# KiCad board beaglebone-ai-rev-a2.kicad_pcb (continued)
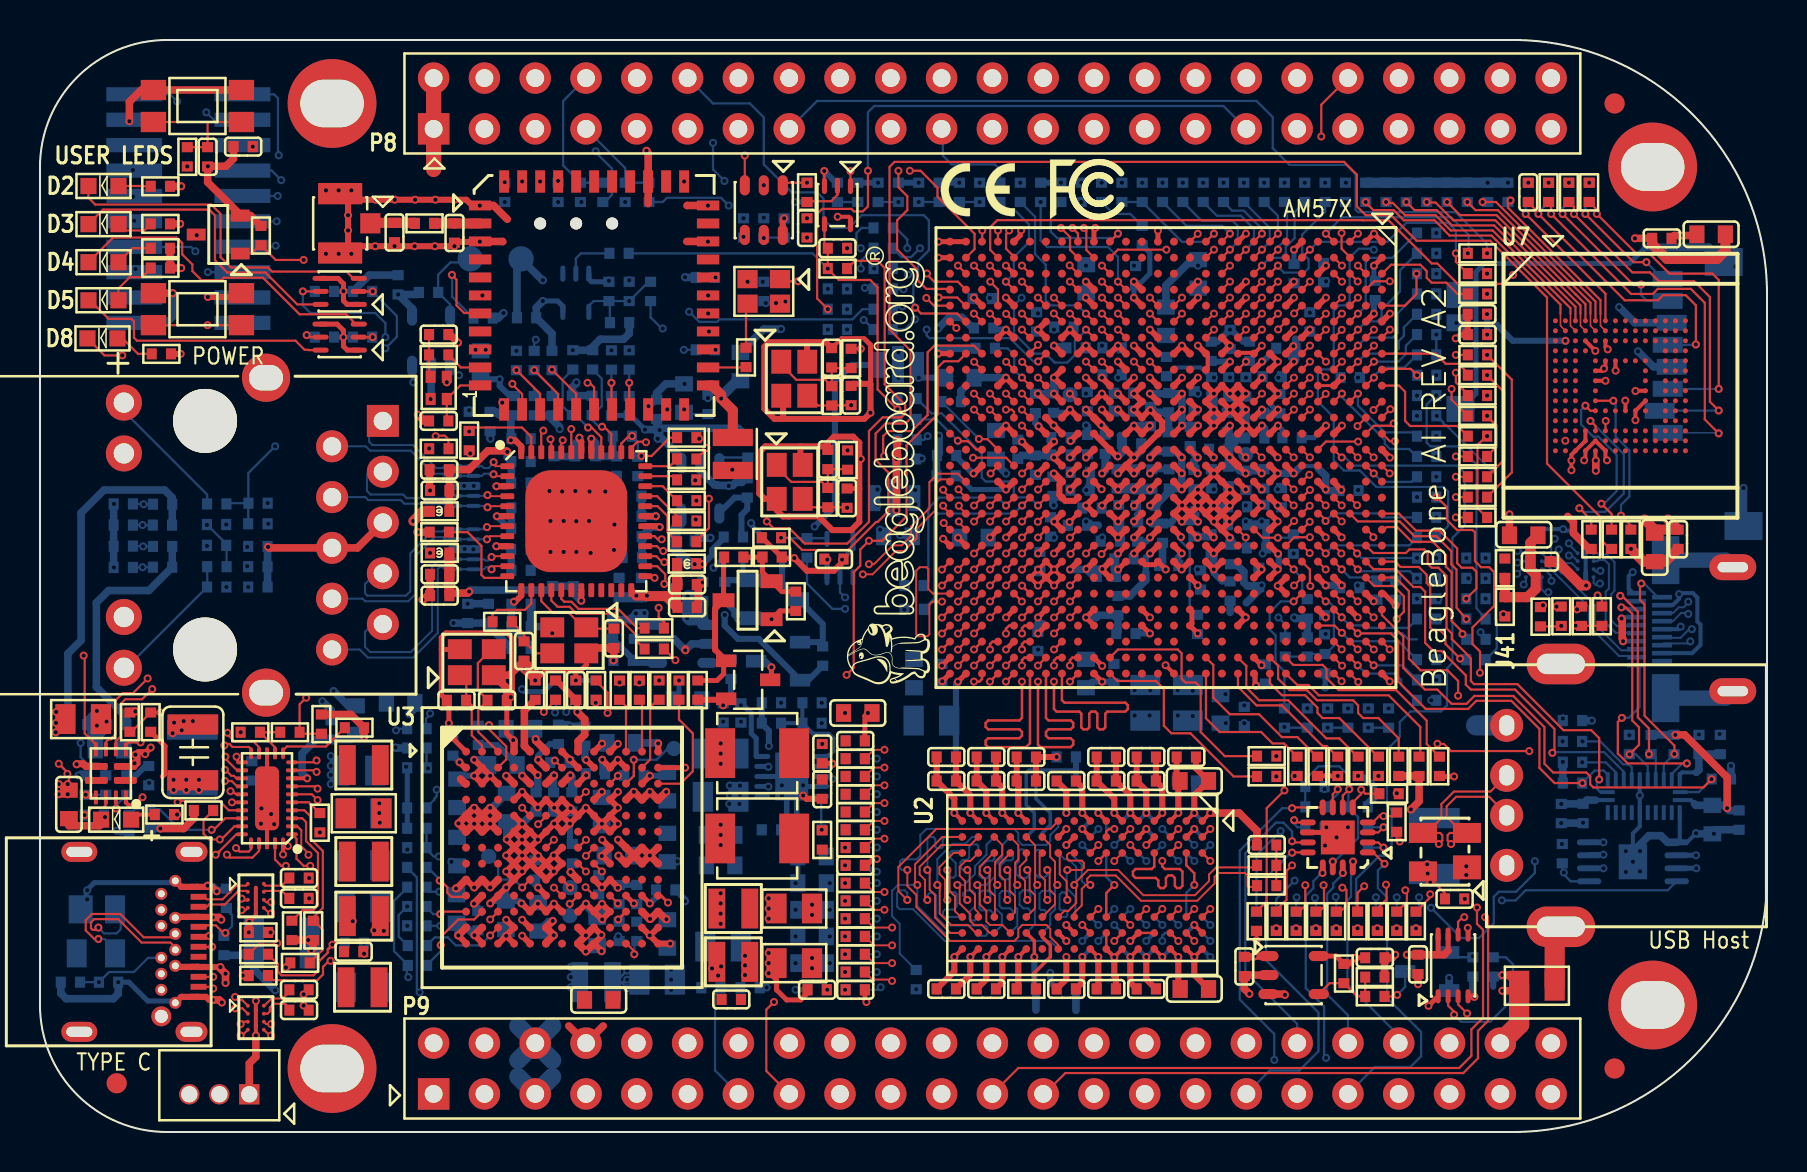
[diagram p0: board, top side]
## Nets (continued)
Earth: C1.2 C2.2 C3.2 C4.2 C5.2 C6.2 C7.2 C8.2 C9.2 C10.2 C11.2 C12.2 C17.2 C18.2 C19.2 C20.2 C21.2 C22.2 C23.2 C24.2 C25.2 C26.2 C27.2 C28.2 C29.2 C30.2 C31.2 C32.2 C33.2 C34.2 C35.2 C36.2 C37.2 C38.2 C39.2 C40.2 C41.1 C42.1 C43.2 C44.2 C45.2 C46.2 C47.2 C48.2 C50.2 C51.1 C52.1 C53.2 C54.2 C55.2 C56.2 C57.2 C58.2 C59.2 C62.2 C63.2 C64.2 C65.2 C66.2 C67.2 C68.2 C69.2 C70.2 C71.2 C72.2 C73.2 C74.2 C75.2 C76.2 C77.2 C78.2 C79.2 C80.2 C81.2 C82.2 C83.2 C84.2 C85.2 C86.2 C87.2 C88.2 C89.2 C90.2 C91.2 C92.2 C93.2 C94.2 C95.2 C96.2 C97.2 C98.2 C100.2 C101.2 C102.2 C103.2 C104.2 C105.2 C106.2 C107.2 C108.2 C109.2 C110.2 C111.2 C112.2 C113.2 C114.2 C115.2 C116.2 C117.2 C118.2 C119.2 C120.2 C121.2 C122.2 C123.2 C124.2 C125.2 C126.2 C127.2 C128.2 C129.2 C130.2 C131.2 C132.2 C133.2 C134.2 C135.2 C136.2 C137.2 C138.2 C139.2 C140.2 C141.2 C142.2 C144.2 C145.2 C146.2 C147.1 C148.2 C149.2 C151.2 C152.2 C153.1 C154.2 C155.2 C156.2 C157.2 C158.2 C159.2 C161.2 C162.2 C163.2 C164.2 C165.2 C166.2 C168.2 C169.2 C170.2 C171.2 C172.2 C174.2 C175.2 C176.2 C177.2 C178.2 C179.2 C180.2 C181.2 C182.2 C183.2 C184.2 C185.2 C186.2 C187.2 C188.2 C189.2 C190.2 C192.2 C193.2 C194.2 C195.2 C196.2 C197.2 C198.2 C199.2 C200.2 C201.2 C202.2 C203.2 C204.2 C205.2 C206.2 C207.2 C208.2 C209.2 C210.2 C211.2 C212.2 C213.2 C214.2 C215.2 C216.2 C217.2 C218.2 C220.2 C221.2 C222.2 C223.2 C224.2 C226.1 C227.2 C230.2 C231.2 C232.2 C233.2 C234.2 C235.2 C236.2 C237.2 C238.2 C242.2 C245.2 C254.2 C255.2 C256.2 C257.2 C258.2 C259.2 C260.2 C261.2 C262.2 C263.2 C264.2 C265.2 C266.2 C267.2 C268.2 C269.2 C270.2 C271.2 C272.2 C273.2 C274.2 C275.2 C276.2 C277.2 C278.2 C279.2 C281.2 C282.2 C283.2 C285.2 C286.2 C291.2 C292.2 C293.2 C294.2 C295.2 C296.2 C297.2 C298.2 C299.2 C300.2 C320.1 C321.2 C325.2 C326.2 C327.2 C334.2 C335.2 C336.2 C337.2 C353.1 C456.2 C457.2 C461.2 C462.2 C463.2 C464.2 C466.2 C472.2 C473.2 C480.2 C481.2 C482.2 C483.2 C488.2 C489.1 C490.2 C491.2 C492.2 C495.2 C496.2 C497.2 C498.2 D1.2 D46.1 D47.1 D78.1 D79.1 FL1.2 FL2.2 J33.2 J33.3 J37.12 J37.13 J41.4 J42.A1 J42.A12 J42.B1 J42.B12 J90.6 J91.4 J91.7 J91.10 J91.13 J91.16 J92.1 OSC1.2 P2.4 P2.8 P2.10 P2.12 P2.16 P2.20 P8.1 P8.2 P9.1 P9.2 P9.34 P9.43 P9.44 P9.45 P9.46 Q17.2 Q18.2 R1.2 R7.1 R10.1 R18.1 R19.1 R20.1 R22.1 R46.2 R50.2 R58.1 R60.2 R72.2 R73.2 R77.2 R78.2 R79.2 R88.1 R98.2 R99.2 R100.2 R101.2 R102.2 R103.1 R104.1 R107.1 R112.2 R113.1 R118.2 R120.2 R121.1 R135.2 R139.2 R147.1 R151.1 R154.2 R163.2 R166.2 R172.2 R181.2 R182.2 R183.2 R187.2 R189.1 R191.2 R201.2 R387.2 R389.2 R390.2 R392.2 R413.1 R493.2 R533.2 R534.2 R571.2 R572.1 R596.2 R597.2 R598.2 R599.2 R600.2 R601.2 R602.2 R603.2 R604.2 R605.2 R606.2 R640.1 R657.1 R659.2 R661.2 R670.2 R676.2 R677.2 R678.2 R679.2 R690.2 R691.2 R699.2 R700.2 R708.2 S1.1 S1.3 S3.1 S3.3 T1.1 T1.4 T2.1 T2.4 TP5.1 U1.4 U1.8 U1.11 U2.A9 U2.B1 U2.B3 U2.B9 U2.D1 U2.D8 U2.E1 U2.E2 U2.E8 U2.F9 U2.G1 U2.G8 U2.G9 U2.J2 U2.J8 U2.M1 U2.M9 U2.P1 U2.P9 U2.T1 U2.T9 U3.A1 U3.A4 U3.A7 U3.A13 U3.B2 U3.B8 U3.B10 U3.B11 U3.C2 U3.C3 U3.C12 U3.D4 U3.D5 U3.D6 U3.D7 U3.D10 U3.E4 U3.E7 U3.E8 U3.E9 U3.E10 U3.F4 U3.F5 U3.F6 U3.F7 U3.F9 U3.F10 U3.G4 U3.G5 U3.G7 U3.G10 U3.H4 U3.H5 U3.H6 U3.H7 U3.H10 U3.J4 U3.J6 U3.J9 U3.J10 U3.K3 U3.L5 U3.L6 U3.L7 U3.L8 U3.L9 U3.L10 U3.M1 U3.M2 U3.M12 U3.M13 U3.N1 U3.N2 U3.N13 U4.A1 U4.A2 U4.A6 U4.A14 U4.A23 U4.A28 U4.AA8 U4.AA9 U4.AA10 U4.AA11 U4.AA14 U4.AA15 U4.AA20 U4.AB11 U4.AB14 U4.AB20 U4.AD1 U4.AD10 U4.AD13 U4.AD19 U4.AD24 U4.AE10 U4.AE13 U4.AE19 U4.AG1 U4.AH1 U4.AH2 U4.AH8 U4.AH20 U4.AH28 U4.B1 U4.D13 U4.D19 U4.E13 U4.E19 U4.F1 U4.F7 U4.G7 U4.G8 U4.G9 U4.H12 U4.J12 U4.J15 U4.J28 U4.K1 U4.K4 U4.K5 U4.K15 U4.K24 U4.K25 U4.L13 U4.L14 U4.M19 U4.N14 U4.N15 U4.N19 U4.N24 U4.N25 U4.P28 U4.R1 U4.R12 U4.R13 U4.R15 U4.R21 U4.T10 U4.T11 U4.T12 U4.T14 U4.T15 U4.T17 U4.T18 U4.T21 U4.U14 U4.U15 U4.U17 U4.U20 U4.U21 U4.V15 U4.V17 U4.W1 U4.W15 U4.W24 U4.W25 U4.W28 U5.5 U5.13 U5.18 U6.3 U7.C4 U7.E7 U7.G5 U7.H10 U7.K8 U7.N2 U7.N5 U7.P4 U7.P6 U8.3 U9.2 U10.2 U11.A9 U11.B1 U11.B3 U11.B9 U11.D1 U11.D8 U11.E1 U11.E2 U11.E8 U11.F9 U11.G1 U11.G8 U11.G9 U11.J2 U11.J8 U11.M1 U11.M9 U11.P1 U11.P9 U11.T1 U11.T9 U12.12 U13.13 U13.28 U13.31 U14.49 U15.2 U16.2 U17.3 U17.8 U18.3 U18.8 U37.1 U37.3 U37.20 U37.31 U37.33 U37.36 U40.2 U46.1 U46.4 U48.1 U48.9 U78.10 U78.17 U88.B1 U88.B2 U89.B1 U89.B2 U90.3 U91.B1 U91.B2 U92.B1 U92.B2 X4.2 X4.4 X6.2 X6.4 X9.2 X9.4
eMMC_RSTn: R56.2 U7.K5
F2_GPIO4_1: R686.1 U4.F2
F4_UART10_RTSN: R635.1 U4.F4
F5_GPIO4_9: P8.18 U4.F5
F8_LCD_DATA6: P8.39 U4.F8
F9_LCD_DATA5: P8.42 U4.F9
F10_LCD_DATA2: P8.43 U4.F10
F11_VOUT1_D0: R662.1 U4.F11
F12_GPIO5_3: R633.1 U4.F12
F14_TIMER12: R68.1 U4.F14
F20_UART10_TXD: P9.24 U4.F20
G6_GPIO4_0: R684.1 U4.G6
G10_VOUT1_D1: R664.1 U4.G10
G11_LCD_DATA3: P8.44 U4.G11
G12_GPIO5_2: R636.1 U4.G12
G14_TIMER11: R67.1 U4.G14
G16_UART8_CTSN: R618.1 U4.G16
G17_SPI2_D0: R637.1 U4.G17
G19_CAN1_RX: R28.1 U4.G19
G20_CAN1_TX: R23.1 U4.G20
GPIO3_7: Q18.1 R700.1 U4.AH6
GPIO3_14: R387.1 T1.2 U4.AG3
GPIO3_15: R389.1 T1.5 U4.AG5
GPIO3_17: R392.1 T2.5 U4.AF6
GPIO3_18: U4.AF3 U37.12
GPIO3_20: R338.2 U4.AF1 U37.7
GPIO3_21: U4.AE3 U37.6
GPIO3_22: U4.AE5 U37.34
GPIO3_23: U4.AE1 U37.13
GPIO5_18: R516.1 U4.V2 U48.5
GPIO5_19: R475.1 U4.Y1 U14.44
GPMC_AD0: R596.1 R692.2 U4.M6
GPMC_AD1: R597.1 R689.2 U4.M2
GPMC_AD2: R598.1 R693.2 U4.L5
GPMC_AD3: R38.2 R493.1 U4.M1
GPMC_AD4: R164.2 R690.1 U4.L6
GPMC_AD5: R162.2 R691.1 U4.L4
GPMC_AD6: R599.1 U4.L3
GPMC_AD7: R600.1 U4.L2
GPMC_AD8: R44.2 U4.L1
GPMC_AD9: R601.1 U4.K2
GPMC_AD10: R602.1 U4.J1
GPMC_AD11: R603.1 U4.J2
GPMC_AD12: R604.1 U4.H1
GPMC_AD13: R605.1 U4.J3
GPMC_AD14: R606.1 U4.H2
GPMC_AD15: R168.2 U4.H3
HDMI_CLKN: U4.AG16 U91.C3
HDMI_CLKP: U4.AH16 U91.C4
HDMI_CT_HPD: R16.2 U4.A24 U5.11
HDMI_DATA0N: U4.AG17 U91.C1
HDMI_DATA0P: U4.AH17 U91.C2
HDMI_DATA1N: U4.AG18 U92.C3
HDMI_DATA1P: U4.AH18 U92.C4
HDMI_DATA2N: U4.AG19 U92.C1
HDMI_DATA2P: U4.AH19 U92.C2
HDMI_DDC_CEC: U4.B20 U5.24
HDMI_DDC_HPD: U4.B21 U5.3
HDMI_DDC_SCL: R62.2 U4.C25 U5.1
HDMI_DDC_SDA: R63.2 U4.F17 U5.2
HDMI_LS_OE: R61.2 U4.F16 U5.4
I2C1_SCL: R48.2 R146.1 R148.1 R193.1 R706.1 U4.C20 U9.1
I2C1_SDA: R49.2 R145.1 R149.1 R194.1 R707.1 U4.C21 U9.3
INT_ADC: R567.2 U4.AG8 U78.2
INT_TYPEC: R69.2 U4.AE6
J14_MCASP_FSR: R669.1 U4.J14
JTAG_EMU0: P2.13 R192.1 U4.G21
JTAG_EMU1: P2.14 R180.1 U4.D24
JTAG_RTCK: P2.9 R199.2
JTAG_TCK: P2.11 R200.2
JTAG_TDI: P2.3 U4.D23
JTAG_TDO: P2.7 U4.F19
JTAG_TMS: P2.1 U4.F18
JTAG_TRSTn: P2.2 R189.2 U4.D20
MCASP2_ACLKX: R608.2 U37.26
MCASP2_AXR0: R609.2 U37.27
MCASP2_AXR1: R610.2 U4.A15
MCASP2_FSX: R607.2 U37.28
MDIO_CLK: R24.1 R117.1 U4.V1
MDIO_D: R116.1 R134.1 U4.U4
MMC1_CLK: C473.1 J90.5 R421.2 R583.1
MMC1_CMD: J90.3 R420.2 U4.Y6
MMC1_DATA0: J90.7 R422.2 U4.AA6
MMC1_DATA1: J90.8 R423.2 U4.Y4
MMC1_DATA2: J90.1 R418.2 U4.AA5
MMC1_DATA3: J90.2 R419.2 U4.Y3
MMC1_SDCD: J90.9 R424.2 U4.W7
MMC4_CLK: R582.1 U37.17
MMC4_CMD: R563.2 R581.1 U37.16
MMC4_DATA0: R336.1 U4.D28
MMC4_DATA1: R337.1 U4.D26
MMC4_DATA2: R333.1 U4.D27
MMC4_DATA3: R334.1 U4.C28
PHY_RESET: C495.1 R190.2 R641.2 R698.1 U14.43 U90.4
PHY_VDD_1V0: C65.1 C66.1 C67.1 C70.1 C71.1 C72.1 C73.1 C74.1 C75.1 C76.1 FB9.2 U14.6 U14.24 U14.31 U14.42
PHY_VDDA_2V5: C56.1 C57.1 C59.1 C62.1 C63.1 C64.1 FB8.2 R463.1 U14.3 U14.9
PHY_VDDIO_3V3: C45.1 C46.1 C47.1 C48.1 C50.1 C53.1 C54.1 C55.1 FB3.2 R141.1 R158.1 R165.1 R167.1 R170.1 R171.1 R190.1 R475.2 U14.19 U14.30 U14.41
PMIC_INT: R152.2 U4.F21
PMIC_RSTOUTn: R124.1 U3.G6 U6.1
PWR_BUT: C320.2 P9.9 R589.1 S3.2 S3.4
R6_GPIO7_3: R634.1 U4.R6
RGMII0_RXC: R114.1 U4.U5
RGMII0_RXCTL: R115.1 U4.V5
RGMII0_RXD0: R106.1 U4.W2
RGMII0_RXD1: R109.1 U4.Y2
RGMII0_RXD2: R110.1 U4.V3
RGMII0_RXD3: R111.1 U4.V4
RGMII0_TXC: R97.2 U14.29
RGMII0_TXCTL: R96.2 U14.37
RGMII0_TXD0: R92.2 U14.28
RGMII0_TXD1: R93.2 U14.27
RGMII0_TXD2: R94.2 U14.26
RGMII0_TXD3: R95.2 U14.25
RGMII_RST: R698.2 U4.N1
RST_PMIC_L: R57.2 R58.2 R159.1
STATUS_LED0: R390.1 T2.2 U4.J11
SYS_RESETn1: R680.2 U90.2
SYS_RESETn2: P9.10 R55.2
T9_GPIO_4: R638.1 U4.T9
TypeC_VBUS: C456.1 C457.1 J42.A4 J42.A9 J42.B4 J42.B9 R32.1 R71.1 R554.1 U12.7
U13_VCC33: C28.1 FB1.2 R45.1 R51.1 R52.1 R53.1 U13.8
UART1_RXD: R173.2 U4.B27 U46.6
UART1_TXD: U4.C26 U46.5
UART6_CTSN: R413.2 U4.R5 U37.41
UART6_RTSN: R560.2 U4.P5 U37.44
UART6_RXD: U4.P6 U37.42
UART6_TXD: U4.R9 U37.43
USB1_DM: D78.3 J42.A7 J42.B7 U4.AC12
USB1_DP: D78.2 J42.A6 J42.B6 U4.AD12
USB2_DM: D79.2 J41.2 U4.AF11
USB2_DP: D79.3 J41.3 U4.AE11
USB2_DRVVBUS: R112.1 U4.AC10 U48.4
USB_RXN0: U4.AF12 U13.10
USB_RXP0: U4.AE12 U13.9
USB_TXN0: U4.AC11 U13.7
USB_TXP0: U4.AD11 U13.6
USB_VBUS: C326.1 C327.1 D79.4 J41.1 U48.6 U48.7 U48.8
VCONN_FAULT: R52.2 U4.AD2 U13.24
VTT: C6.1 C7.1 C41.2 C42.2 C60.2 C61.2 C90.1 C91.1 C153.2 C225.2 C226.2 C291.1 C292.1 R25.1 R30.1 R31.1 R33.1 R34.1 R36.1 R37.1 R39.1 R40.1 R42.1 R43.1 R84.2 R123.1 R125.1 R126.1 R128.1 R129.1 R131.1 R132.1 R136.1 R137.1 R140.1 R142.1 R143.1 R160.1 R161.1 U1.3
Net-(C14-Pad1): C14.1 R11.1 R14.1 X7.1
Net-(C16-Pad1): C16.1 R12.1 R15.1 X8.1
Net-(C21-Pad1): C21.1 U3.C1
Net-(C49-Pad2): C49.2 R26.1 R29.1
Net-(C51-Pad2): C51.2 U3.A3 X6.3
Net-(C52-Pad2): C52.2 U3.A2 X6.1
Net-(C69-Pad1): C69.1 R54.2 R55.1 R56.1 R641.1 U8.4
Net-(C81-Pad1): C81.1 U10.4
Net-(C87-Pad1): C87.1 R74.1 U10.5
Net-(C92-Pad1): C92.1 R84.1 U1.5
Net-(C106-Pad1): C106.1 U4.Y13
Net-(C107-Pad1): C107.1 U4.Y14
Net-(C108-Pad1): C108.1 U4.Y15
Net-(C109-Pad1): C109.1 U4.Y16
Net-(C133-Pad1): C133.1 U3.C8
Net-(C147-Pad2): C147.2 U3.B7
Net-(C179-Pad1): C179.1 U4.T20
Net-(C204-Pad1): C204.1 U4.R20
Net-(C214-Pad1): C214.1 U4.P19
Net-(C254-Pad1): C254.1 U4.K19
Net-(C260-Pad1): C260.1 U4.J19
Net-(C268-Pad1): C268.1 J33.1 R385.1
Net-(C273-Pad1): C273.1 U4.J16
Net-(C274-Pad1): C274.1 U4.J9
Net-(C275-Pad1): C275.1 U4.J10
Net-(C276-Pad1): C276.1 U4.L9
Net-(C277-Pad1): C277.1 U4.K9
Net-(C279-Pad1): C279.1 U4.K16
Net-(C335-Pad1): C335.1 C336.1 J37.5 J37.6 R463.2
Net-(C337-Pad1): C337.1 R105.2 X9.3
Net-(C466-Pad1): C466.1 FB5.2 R566.1 R567.1 U78.6 U78.14
Net-(C488-Pad1): C488.1 R385.2 U37.2
Net-(C498-Pad1): C498.1 FB7.1 U5.10
Net-(D1-Pad1): D1.1 R594.2
Net-(D2-Pad1): D2.1 R593.2
Net-(D2-Pad2): D2.2 T2.3
Net-(D3-Pad1): D3.1 R592.2
Net-(D3-Pad2): D3.2 T2.6
Net-(D4-Pad1): D4.1 R591.2
Net-(D4-Pad2): D4.2 T1.3
Net-(D5-Pad1): D5.1 R590.2
Net-(D5-Pad2): D5.2 T1.6
Net-(D6-Pad2): D6.2 R8.2 R13.1 R17.2
Net-(D6-Pad3): D6.3 Q1.1 R9.2 R13.2
Net-(D7-Pad2): D7.2 R86.1 R87.2 R91.2
Net-(D7-Pad3): D7.3 Q4.1 R85.2 R86.2
Net-(D8-Pad1): D8.1 R701.2
Net-(D8-Pad2): D8.2 Q18.3
Net-(J37-Pad11): J37.11 R144.1
Net-(J37-Pad14): J37.14 R138.1 R153.1
Net-(L1-Pad1): L1.1 U3.E11 U3.E12 U3.E13
Net-(L2-Pad1): L2.1 U3.F11 U3.F12 U3.F13
Net-(L16-Pad1): L16.1 U3.J11 U3.J12 U3.J13
Net-(L17-Pad1): L17.1 U3.G1 U3.G2 U3.G3
Net-(L18-Pad1): L18.1 U3.H1 U3.H2 U3.H3
Net-(L19-Pad1): L19.1 U3.M5 U3.N5
Net-(L20-Pad1): L20.1 U3.D1 U3.D2 U3.D3
Net-(L21-Pad1): L21.1 U3.M10 U3.N10
Net-(L22-Pad1): L22.1 U3.M7 U3.N7
Net-(OSC1-Pad1): OSC1.1 R588.1
Net-(OSC1-Pad3): OSC1.3 R576.1
Net-(Q17-Pad3): Q17.3 R658.2
Net-(R3-Pad2): R3.2 U1.9
Net-(R4-Pad2): R4.2 U1.7
Net-(R18-Pad2): R18.2 U3.C13
Net-(R19-Pad2): R19.2 U3.B12
Net-(R20-Pad2): R20.2 U3.A12
Net-(R22-Pad2): R22.2 U2.L8
Net-(R27-Pad2): R27.2 U3.E5
Net-(R80-Pad2): R80.2 R81.1 U12.9
Net-(R82-Pad1): R82.1 R83.2 U10.1
Net-(R88-Pad2): R88.2 U11.L8
Net-(R89-Pad1): R89.1 U4.AF14
Net-(R90-Pad1): R90.1 U4.AB17
Net-(R98-Pad1): R98.1 U4.AB16
Net-(R99-Pad1): R99.1 U4.AC16
Net-(R100-Pad1): R100.1 U4.AE14
Net-(R101-Pad1): R101.1 U4.AD17
Net-(R102-Pad1): R102.1 U4.AC17
Net-(R103-Pad2): R103.2 U3.N11
Net-(R104-Pad2): R104.2 U3.C10
Net-(R107-Pad2): R107.2 U3.K10
Net-(R108-Pad2): R108.2 U3.A11
Net-(R113-Pad2): R113.2 U3.H9
Net-(R121-Pad2): R121.2 U3.D8
Net-(R122-Pad2): R122.2 U15.3
Net-(R127-Pad2): R127.2 U16.3
Net-(R130-Pad2): R130.2 U3.B3
Net-(R145-Pad2): R145.2 U3.L2
Net-(R146-Pad2): R146.2 U3.M3
Net-(R147-Pad2): R147.2 U3.L3
Net-(R148-Pad2): R148.2 U3.L1
Net-(R149-Pad2): R149.2 U3.H8
Net-(R150-Pad2): R150.2 R151.2 U3.K7
Net-(R152-Pad1): R152.1 U3.K1
Net-(R155-Pad2): R155.2 R156.2 U3.G9
Net-(R157-Pad2): R157.2 U3.K9
Net-(R159-Pad2): R159.2 U3.E6
Net-(R174-Pad1): R174.1 R182.1 U4.D21
Net-(R183-Pad1): R183.1 U7.A6
Net-(R199-Pad1): R199.1 U4.E18
Net-(R200-Pad1): R200.1 U4.E20
Net-(R201-Pad1): R201.1 U7.J5
Net-(R202-Pad2): R202.2 U4.J7
Net-(R566-Pad2): R566.2 U78.7
Net-(R571-Pad1): R571.1 U78.9
Net-(R572-Pad2): R572.2 U78.3
Net-(R581-Pad2): R581.2 U4.C27
Net-(R582-Pad2): R582.2 U4.E25
Net-(R583-Pad2): R583.2 U4.W6
Net-(R584-Pad2): R584.2 U4.D18
Net-(R585-Pad2): R585.2 U4.AD4
Net-(R589-Pad2): R589.2 U3.G8
Net-(R607-Pad1): R607.1 U4.A18
Net-(R609-Pad1): R609.1 U4.B15
Net-(R610-Pad1): R610.1 U37.25
Net-(R656-Pad1): R656.1 R657.2 R658.1 U40.4
Net-(R661-Pad1): R661.1 U37.29
Net-(R670-Pad1): R670.1 U4.V27
Net-(R671-Pad2): R671.2 U4.V28
Net-(R672-Pad2): R672.2 U4.G27
Net-(R673-Pad2): R673.2 U4.H28
Net-(R674-Pad2): R674.2 U4.K28
Net-(R675-Pad2): R675.2 U4.M27
Net-(R676-Pad1): R676.1 U4.G28
Net-(R677-Pad1): R677.1 U4.H27
Net-(R678-Pad1): R678.1 U4.K27
Net-(R679-Pad1): R679.1 U4.M28
Net-(R706-Pad2): R706.2 U78.4
Net-(R707-Pad2): R707.2 U78.5
Net-(TP2-Pad1): TP2.1 U3.C11
Net-(TP3-Pad1): TP3.1 U3.K8
Net-(TP4-Pad1): TP4.1 U4.Y11
Net-(TP7-Pad1): TP7.1 U3.J5
Net-(TP8-Pad1): TP8.1 U4.K14
Net-(TP11-Pad1): TP11.1 U3.J7

Pads without a net: D78 4; ID1 1; ID2 1; ID3 1; J42 A8 B8; J91 2; P2 6 17 18 19; U2 J1 J9 L1 L9; U3 B4 C9 F8 K4 K5 L4 M11 N12; U4 A4 A16 A17 A20 A25 A27 AA1 AA2 AA3 AA4 AB1 AB2 AB3 AB4 AB9 AC1 AC2 AC5 AD8 AD14 AE8 AE9 AF2 AF4 AG7 AG9 AG10 AG11 AG12 AG13 AG14 AG15 AH3 AH7 AH9 AH10 AH11 AH12 AH13 AH14 AH15 B2 B5 B11 B16 B17 B18 B25 B28 C4 C12 C15 D12 D15 E1 E2 E4 E12 E15 E26 E27 E28 F3 F6 F13 F15 F24 F25 F26 F27 F28 G1 G2 G13 G24 G25 G26 H7 H23 H24 H25 H26 J20 J23 J24 J25 J26 K20 K21 K22 K23 L22 L23 L24 L25 L26 L27 L28 M3 M4 M5 M22 M23 M24 M25 M26 N2 N6 N7 N9 N20 N23 N27 N28 P1 P2 P3 P4 P7 P9 P22 P23 P24 P25 P26 P27 R2 R3 R4 R22 R23 R24 R25 R26 R27 R28 T1 T2 T6 T7 T22 T23 T27 T28 U1 U2 U3 U22 U23 U24 U25 U26 U27 U28 V23 V24 V25 V26 W19 W22 W23 Y5 Y9 Y10 Y25 Y26; U5 14 15 16 17 19 20 21 22; U7 A1 A2 A7 A8 A9 A10 A11 A12 A13 A14 B1 B7 B8 B9 B10 B11 B12 B13 B14 C1 C3 C5 C7 C8 C9 C10 C11 C12 C13 C14 D1 D2 D3 D4 D12 D13 D14 E1 E2 E3 E5 E8 E9 E10 E12 E13 E14 F1 F2 F3 F10 F12 F13 F14 G1 G2 G3 G10 G12 G13 G14 H1 H2 H3 H5 H12 H13 H14 J1 J2 J3 J12 J13 J14 K1 K2 K3 K6 K7 K10 K12 K13 K14 L1 L2 L3 L12 L13 L14 M1 M2 M3 M7 M8 M9 M10 M11 M12 M13 M14 N1 N3 N6 N7 N8 N9 N10 N11 N12 N13 N14 P1 P2 P7 P8 P9 P10 P11 P12 P13 P14; U8 1; U11 J1 J9 L1 L9; U14 18 20 21 22 23; U37 4 5 8 30 32 35 37 38 39 40; U90 1

## Via types
v1: diameter 0.406, hole 0.203, TOP to BOTTOM, 1835 vias

## Routing (per net, layer and track width the routed paths; a pad name or vN(x,y) marks a point on that pad's centre or on a via; arc(x,y) is an arc through that point)
1V8_PHY_HDMI: length 4.5
  TOP w0.305: U4.W14 v1(52.31,33.73) ; U4.AA16 50.98,32.4 50.98,31.86 51.1,31.73 U4.AA17 51.26,31.56 51.74,31.56 U4.Y17
  TOP w0.381: U4.AA16 v1(50.7,32.93)
  BOTTOM w0.254: FB6.2 43.06,29.79 v1(43,29.85)
  BOTTOM w0.381: C116.1 47.8,33.43 v1(48.3,32.93)
1V8_PHY_LDO3: length 33.3
  TOP w0.254: U3.K11 v1(29.7,11.43)
  INT_L3 w0.305: v1(29.7,11.43) 31.37,13.1 31.37,14.86 34.59,18.08 34.59,19.28 35.53,20.22 35.53,23.88 37.11,25.45 37.11,27.2 38.25,28.35 38.25,29.18 38.71,29.64 38.71,30.23 38.73,30.25 v1(38.73,30.28)
  BOTTOM w0.305: FL1.1 40.58,38.36 39.75,37.53 39.75,31.29 v1(38.73,30.28)
1V8_PHY_LDO4: length 64.6
  TOP w0.254: U3.K12 v1(30.5,11.43)
  INT_L3 w0.305: v1(30.5,11.43) 32.2,13.13 33.46,13.13 34.49,14.16 34.49,14.76 35.53,15.8 35.53,19.53 36.07,20.07 36.07,23.55 37.8,25.27 37.8,27 38.76,27.97 38.76,28.8 39.07,29.11 40.06,29.11 40.36,29.41 40.36,29.79 40.69,30.12 v1(42.01,30.12)
  SIG_L10 w0.381: v1(30.5,11.43) 30.55,11.43 31.38,12.26 31.38,15.48 31.95,16.05 31.95,17.63 31.68,17.9 31.68,20.18 29.9,21.96 26.12,21.96 22.63,25.45 v1(20.68,25.45) 20.68,34.04 21.09,34.46 22.31,34.46 v1(22.53,34.67)
  BOTTOM w0.305: C117.1 30.81,11.74 v1(30.5,11.43) ; FB6.1 42.01,29.97 v1(42.01,30.12)
  BOTTOM w0.381: v1(20.68,25.45) C129.1 C135.1 22.43,25.32 FB2.1 ; v1(22.53,34.67) 22.5,34.7 FB10.1
1V8_PHY_SATA: length 5.4
  TOP w0.305: U4.W12 v1(52.3,36.13) ; U4.AA13 v1(50.69,35.34) U4.AB12 ; v1(53.08,35.35) U4.V13
  TOP w0.381: U4.W12 v1(53.08,35.35)
  BOTTOM w0.305: C37.1 45.28,37.73 43.95,37.73 v1(43.94,37.72) 43.94,38.36 FL1.3
  BOTTOM w0.381: C184.1 53.26,35.17 v1(53.08,35.35)
1V8_PLL: length 32.1
  TOP w0.305: U4.AE16 47.91,32.53 v1(48.31,32.13) U4.AD16 ; U3.B5 24.88,17.85 v1(24.89,17.85)
  INT_L3 w0.33: v1(41.88,31.37) 41.43,31.83 38.43,31.83 33.08,26.48 33.08,25.69 31.47,24.08 28.3,24.08 27.91,23.7 27.91,22.96 26.86,21.91 24.89,21.91 24.28,21.3 24.28,18.45 v1(24.89,17.85)
  BOTTOM w0.254: v1(48.31,32.13) 46.58,32.13 45.9,32.82 C123.1
  BOTTOM w0.381: C157.1 24.89,17.07 v1(24.89,17.85)
  vias: v1(41.88,32.13)
1V8_PLLA: length 10.8
  TOP w0.305: U4.R17 v1(55.51,31.33) ; U4.N16 57.48,32.53 v1(57.09,32.13) U4.P16 ; U4.P14 v1(57.09,33.73) ; U4.N12 v1(57.9,36.13) 57.5,36.52 U4.N11 ; U4.M14 v1(58.69,33.73) ; U4.P15 v1(57.09,32.93) ; U4.R14 v1(55.51,33.73)
  BOTTOM w0.305: C216.1 58.46,33.97 v1(58.69,33.73)
  BOTTOM w0.381: C189.1 56.46,32.02 C202.1 57.05,32.17 v1(57.09,32.13) v1(57.09,32.93) v1(57.09,33.73) 56.8,34.03 C199.1 56.41,34.04 55.78,34.04 55.51,33.77 v1(55.51,33.73)
  vias: v1(43.76,32.11) v1(43.78,31.38)
1V8_RTC: length 17.5
  TOP w0.305: R27.1 25.83,22.58 C38.1 26.85,21.56 26.85,21.03 v1(26.87,21.01)
  TOP w0.381: v1(26.87,21.01) 27.24,20.64 27.24,19.87 26.91,19.54 U3.A8
  SIG_L8 w0.254: v1(18.31,18.27) 18.8,18.27 19.81,19.28 22.05,19.28 24.23,21.46 26.49,21.46 26.87,21.08 v1(26.87,21.01)
  BOTTOM w0.254: R150.1 R157.1 R155.1
3V3_SD: length 10.2
  TOP w0.305: U4.Y8 v1(52.3,39.33) U4.W8
  TOP w0.381: U3.C6 25.71,17.83 v1(25.71,17.84)
  BOTTOM w0.254: v1(33.68,28.22) R8.1
  BOTTOM w0.305: R9.1 38.42,22.6 Q1.2 35.94,24.66 34.9,24.66 34.24,25.32 v1(34.24,25.86)
  BOTTOM w0.381: v1(25.71,17.84) 25.69,17.81 C151.1
  vias: v1(40.36,42.16) v1(75.44,47.47) v1(76.45,47.47) v1(77.47,47.47)
3V3_USB: length 23.9
  TOP w0.305: U3.B9 27.32,18.61 v1(27.31,18.61) ; U4.Y12 v1(51.5,36.13) U4.AA12
  INT_L3 w0.508: v1(40.23,30.58) 40.17,30.58 39.81,30.94 38.51,30.94 37.72,30.15 37.72,29.54 35.94,27.76 35.94,25.15 31.04,20.24 28.12,20.24 27.31,19.44 v1(27.31,18.61)
  BOTTOM w0.305: v1(51.5,36.13) 51.34,35.97 C148.1
  BOTTOM w0.381: C134.1 27.25,18.67 v1(27.31,18.61)
/USB/VBUS_DET: length 1.6
  TOP w0.114: R32.2 13.98,15.95 13.44,16.49 U13.5
GND_OSC0: length 27.7
  TOP w0.254: C13.2 40.96,32.18 40.97,32.19
  TOP w0.305: 40.97,33.66 v1(41.05,33.66) ; 40.97,33.66 40.97,34.47 40.67,34.77 39.7,34.77 39.4,34.47 39.4,34.16 ; 40.97,33.66 40.97,30.51 40.56,30.1 39.62,30.1 38.94,30.78 37.46,30.78 37.46,30.78 37.15,30.78 36.84,31.09 X7.2 36.23,31.66 35.97,31.93 35.97,33.99 36.27,34.29 38.02,34.29 ; 38.02,34.29 38.02,33.4 38.07,33.36 X7.4 ; 38.02,34.29 39.27,34.29 39.4,34.16 ; U4.AF15 47.1,33.33 46.71,32.93 v1(46.69,32.93) ; C14.2 39.4,34.16
  INT_L3 w0.254: v1(46.69,32.93) 46.12,32.93 45.67,33.38 44.45,33.38 44.27,33.2 41.5,33.2 v1(41.05,33.66)
  BOTTOM w0.305: v1(46.69,32.93) 46.65,32.93 45.82,33.76 R7.2
GND_OSC1: length 30.2
  TOP w0.203: 41.25,39.65 41.2,39.7 40.09,39.7 C16.2
  TOP w0.254: 41.53,37.41 41.53,39.37 41.25,39.65
  TOP w0.305: C15.2 40.67,37.41 41.53,37.41 v1(41.53,35.97) 41.22,35.66 37.16,35.66 ; 38.35,39.5 38.35,38.53 X8.4 ; 38.35,39.5 36.45,39.5 36.22,39.27 36.22,36.17 36.73,35.66 37.16,35.66 ; 38.35,39.5 39.29,39.5 C16.2 ; 37.16,35.66 37.16,36.73 X8.2 ; U4.AC14 v1(49.11,34.52)
  SIG_L5 w0.254: v1(41.53,35.97) 42.13,35.37 46.93,35.37 47.78,34.52 v1(49.11,34.52)
  BOTTOM w0.381: v1(49.11,34.52) 49.01,34.62 R10.2
GNDPWR: length 60.5
  TOP w0.127: 1.12,20.57 1.4,20.57 ; 1.12,20.57 1.12,20.7 v1(0.81,21.01) ; 1.12,20.57 0.91,20.57 v1(0.8,20.46)
  TOP w1.016: J41.5 75.74,9.95 R699.1
  GND_L2 w0.762: 16.89,53.64 14.68,51.44 MH2.1 14.6,51.49 12.47,53.62 ; 16.54,0.97 14.6,2.9 MH4.1 14.5,3.18 12.34,1.02
  GND_L11 w0.762: 12.37,0.91 14.6,3.15 ; 14.6,3.15 14.6,3.12 16.81,0.91 ; 14.6,3.15 MH4.1 ; 12.06,53.67 14.3,51.44 MH2.1 14.73,51.44 16.92,53.62
  BOTTOM w0.254: 80.29,44.25 79.48,43.43 72.23,43.43 71.81,43.01 71.81,41.9 ; J90.13 71.76,41.86 71.81,41.9 ; 71.81,41.9 71.81,36.93 J90.12
  BOTTOM w0.381: 80.29,44.25 83.45,44.25 J90.11 84.56,43.51 v1(84.79,43.28) ; J90.10 v1(85.18,32.21)
  BOTTOM w0.762: J91.23 84.3,28.6 J91.21 ; J91.22 84.3,21.7 J91.20
  vias: v1(0.79,19.99)
VDD_1V0: length 5.7
  TOP w0.114: v1(33.15,28.4) 33.07,28.4 33.05,28.42 FB9.1
  BOTTOM w0.305: v1(32.74,28.4) v1(33.15,28.4) 33.6,28.85 33.6,29.11 34.19,29.69 R133.1
  BOTTOM w0.508: v1(32.74,28.4) 32.66,28.4 32.64,28.42 32.49,28.42 31.78,29.13 C83.1 31.78,30.2 32.07,30.49 U16.5
VDD_1V8: length 25.2
  TOP w0.203: U4.M8 58.39,38.83 58.39,38.22 U4.M9
  TOP w0.254: v1(36.58,23.24) 36.58,22.61 Q4.3 ; R91.1 37,26.06 v1(36.58,25.64)
  TOP w0.305: U4.W17 v1(52.31,31.33) 52.7,30.93 U4.W18 ; U4.W21 52.32,28.14 v1(52.32,28.15) ; U4.Y21 v1(51.51,28.13) ; v1(53.12,28.15) 53.12,28.14 ; 53.12,28.14 53.12,28.11 U4.V22 ; 53.12,28.14 U4.V21 ; U4.G18 v1(61.89,31.33) U4.H17 ; U4.M8 v1(57.9,39.33) ; U4.AA7 v1(51.5,40.13) U4.Y7 ; U4.P21 v1(57.09,28.13) 57.48,28.52 U4.N21 ; U4.R8 v1(55.5,39.33) ; U4.T8 v1(54.7,39.33) ; v1(49.94,35.29) 49.94,35.29 U4.AB13 ; U4.P20 v1(57.09,28.93) ; U4.J22 61.09,28.11 v1(61.09,28.13) 61.09,28.14 60.7,28.52 U4.J21 ; U4.N8 v1(57.1,39.33) U4.P8 ; U4.AA18 50.72,30.54 v1(50.72,30.52) 51.1,30.13 U4.AA19
  TOP w0.381: v1(73.18,25.9) 73.25,25.82 R702.1 ; U3.B6 v1(24.91,18.61)
  BOTTOM w0.305: v1(36.58,23.24) 36.27,23.55 Q1.3 ; v1(24.91,18.61) 24.91,18.81 25.5,19.4 C152.1 ; v1(34.92,25.65) 34.72,25.86 34.72,26.06 34.24,26.54 R17.1 ; C201.1 56.92,28.76 v1(57.09,28.93) ; v1(49.94,35.29) 49.78,35.45 C136.1 ; C146.1 50.53,30.7 v1(50.72,30.52)
  BOTTOM w0.381: v1(52.32,28.15) 52.3,28.13 v1(51.51,28.13) ; v1(52.32,28.15) 52.69,27.78 C174.1 ; v1(52.32,28.15) v1(53.12,28.15)
  BOTTOM w0.508: v1(36.58,25.64) 36.53,25.69 D6.1
VDD_2V5: length 20.6
  TOP w0.508: v1(18.67,30.56) 19.15,31.04 FB8.1
  SIG_L5 w0.381: v1(30.23,25.96) 30.2,25.93 v1(29.79,25.93) 29.77,25.96 23.27,25.96 21.67,27.56 19.02,27.56 18.38,28.21 18.38,30.26 v1(18.67,30.56)
  BOTTOM w0.381: 30.21,25.36 30.21,25.95 v1(30.23,25.96) ; 30.21,25.36 U15.5 ; 30.21,25.36 29.95,25.63 ; v1(30.23,25.96) 29.82,25.96 v1(29.79,25.93) 29.79,25.91 29.72,25.83 C77.1 ; v1(30.23,25.96) 30.23,25.91 ; 30.23,25.91 30.23,25.79 ; 30.23,25.91 29.95,25.63 ; 29.95,25.63 C77.1 ; C77.1 R119.1
VDD_3V3: length 115.9
  TOP w0.152: U4.E10 U4.D10
  TOP w0.203: U7.F5 78.1,38.07 v1(78.21,38.18) 78.28,38.25 U7.E6 ; U6.5 40.53,45.69 40.45,45.77 v1(39.89,45.77) ; U7.J10 U7.K9 v1(79.78,35.6)
  TOP w0.254: U4.AE7 v1(48.3,40.13) U4.AD7 ; R54.1 36.12,29.72 R87.1 37.08,28.7 v1(37.72,28.7) ; 70.41,9.06 U46.7 ; U46.8 69.91,8.93 69.85,8.86
  TOP w0.305: v1(37.21,45.69) 37.15,45.63 U10.6 ; U4.D22 v1(65.09,27.33) ; U4.E3 v1(64.3,43.33) ; U4.D10 v1(65.1,37.73) ; U4.G5 v1(62.7,41.73) ; U4.AF5 v1(46.7,41.73) ; U4.G4 v1(62.7,42.53) ; U4.G15 v1(62.69,32.93) ; U4.V12 v1(53.1,36.13) ; U4.W4 v1(52.3,42.53) ; U4.D16 65.05,32.11 v1(65.07,32.11) ; U4.T4 v1(54.7,42.53) ; U4.N5 v1(57.9,41.73) ; U4.N4 v1(57.9,42.53) ; U4.B23 66.69,26.54 v1(66.69,26.54) ; v1(40.11,28.63) 40.11,28.47 39.7,28.07 38.35,28.07 v1(37.72,28.7) ; U4.H18 v1(61.89,30.53) 61.5,30.14 U4.H19 ; U4.H11 v1(61.9,36.93) 61.5,37.32 U4.H10 ; U4.C24 v1(65.89,25.73) ; U4.AB7 v1(49.9,40.13) U4.AB6 ; R85.1 34.27,21.62 ; 34.27,21.62 34.16,21.51 v1(34.16,21.34) ; 34.27,21.62 Q4.2 ; U4.E22 v1(64.29,27.33) ; U4.R10 v1(55.5,37.73) ; U4.W5 v1(52.3,41.73) ; U4.H16 61.5,32.54 v1(61.89,32.93) U4.H15 ; U4.B6 v1(66.7,40.93) ; U4.R7 v1(55.5,40.13) ; U4.P10 v1(57.1,37.73) ; U4.H9 v1(61.9,38.53) 61.5,38.92 U4.H8 ; U4.E16 v1(64.29,32.13) ; U4.AD5 v1(48.3,41.73) ; U4.E5 v1(64.3,41.73) ; U4.U10 v1(54.7,37.73) ; U4.T5 v1(54.7,41.73) ; R701.1 v1(7.04,38.91) ; U3.D9 v1(28.1,17.01)
  TOP w0.381: v1(7.06,43.21) R590.1 R591.1 ; U40.3 62.21,6.9 v1(62.26,6.86) ; R593.1 v1(7.06,47.29) ; v1(26.53,13) 26.53,12.99 26.57,12.95 26.57,12.95 U3.J8 ; v1(68.35,8.86) C353.2 70.21,8.86 70.41,9.06 ; C300.1 82.79,44.83 v1(82.17,44.83) 81.72,44.83 C325.1 ; R592.1 v1(7.01,45.42)
  TOP w0.508: v1(80.24,30.63) 80.75,30.12 C278.1 80.92,30.12 C286.1 v1(81.41,30.63)
  SIG_L5 w0.381: v1(1.93,17.83) 5.08,17.83
  PWR_L6 w0.381: 21.37,5.3 P9.4 ; P9.4 23.08,5.3 ; P9.4 21.37,3.59 ; P9.4 23.08,3.59 ; 81.31,43.94 82.17,44.81 v1(82.17,44.83) ; v1(7.04,38.91) 7.04,40.31
  PWR_L6 w1.016: P9.4 P9.3
  BOTTOM w0.127: v1(29.36,8.08) 28.78,7.49 ; 28.78,7.49 L22.2 ; 28.78,7.49 29.06,7.49 ; 29.06,7.49 29.24,7.49 v1(29.36,7.62) ; 29.06,7.49 v1(29.36,7.19) ; FB5.1 v1(64.24,17.15) ; R3.1 35.18,21.34 ; R611.2 v1(33.4,36.7)
  BOTTOM w0.203: 62.96,33.2 63.06,33.3 63.81,33.3 63.91,33.2
  BOTTOM w0.254: v1(40.11,28.63) 40.66,29.17 U8.5 ; v1(25.15,41.55) 25.88,41.55 26.15,41.29 U90.5 ; v1(54.7,41.73) 54.7,42.25 C186.1 54.91,42.34 55.5,42.93 55.5,43.97 R689.1 ; R82.2 v1(37.74,46.51) ; v1(30.25,35.13) 29.54,35.84 R565.1 R564.1 ; v1(35.05,21.34) 35.18,21.34 35.57,20.95 35.57,19.93 35.81,19.69 35.81,18.8 35.83,18.78 U1.10 ; R124.2 25.76,22.58 25.2,22.02 24.23,22.02 v1(24.1,22.15)